# Altium PCB project_pankov_control_board.PcbDoc (part 2 of 2)
Units mm, origin at the board's own origin, x right, y up, seen from the top; angles counter-clockwise.
Board outline 90 x 75 mm, 2 copper layers (Top Layer, Bottom Layer), stack 1.536 mm thick; 103 components, 103 nets, 429 pads, 380 vias.
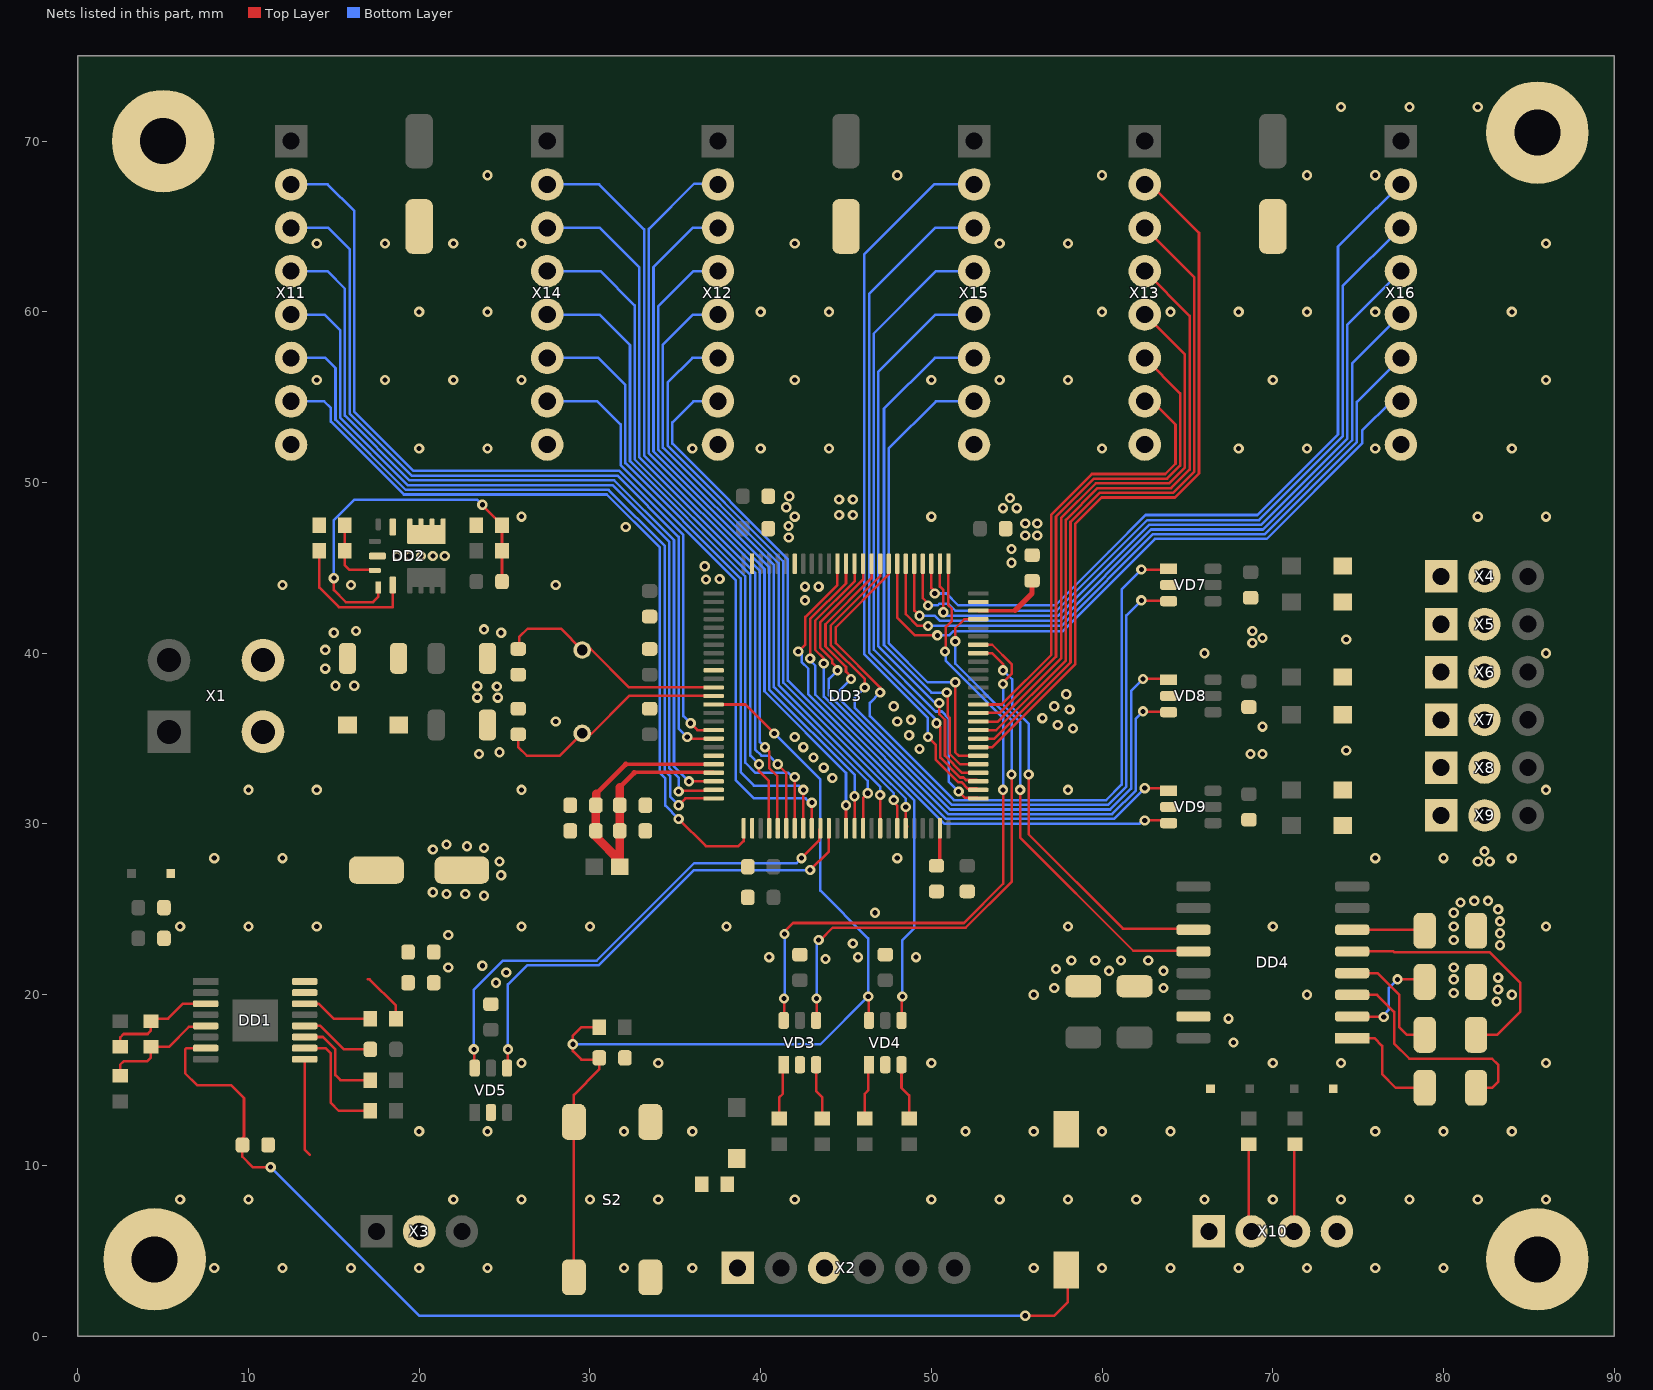
[diagram p2: the nets of this part, all layers, seen from the top]

## Via types
v1: diameter 0.6, hole 0.3, Top Layer to Bottom Layer, tented both sides, 360 vias
v2: diameter 0.6, hole 0.3, Top Layer to Bottom Layer, 20 vias

## Nets (pads, with @x,y where several pads share a name; then routed paths per layer and width w, separated by ;. In a path a pad name is that pad's centre, name@x,y a point inside that pad or via, vN(x,y) a via of type N, cw(c..) or ccw(c..) an arc to the next point about the centre after c; other vN are vias at no path point) (continued)
GND: C1.2 C2.2 C4.2 C5.2 C6.2 C7.2 C8.2 C9.2 C10.2 C11.2 C13.2 C14.2 C15.2 C16.2 C17.2 C18.2 C19.2 C20.2 C21.2 C22.2 C23.2 C24.2 C25.2 C26.2 C27.2 C28.2 C29.2 C30.2 C31.1 C32.1 C33.2 C34.2 C35.2 C36.2 C37.2 C38.2 C39.2 C42.2 C43.2 C44.2 DD1.9 DD2.8 DD3.10 DD3.20 DD3.27 DD3.74 DD3.94 DD3.99 DD4.15 pad. R1.1 R13.1 R15.1 S1.2 S2.2 VD1.1 VD3.2 VD4.2 VD5.2 VD6.2 VD7.2 VD8.2 VD9.2 VD16.2 VD17.2 X1.3 X1.4 X2.3 X3.2 X4.2 X5.2 X6.2 X7.2 X8.2 X9.2 X10.1 X10.4 X11.8 X12.8 X13.8 X14.8 X15.8 X16.8 | length 5.7
  Top Layer w0.15: DD1.9@13.29,16.225 13.29,10.935 13.6,10.625
  other v1: 8,4 12,4 16,4 20,4 24,4 32,4 36,4 56,4 60,4 64,4 68,4 72,4 76,4 80,4 6,8 10,8 22,8 26,8 30,8 34,8 42,8 50,8 54,8 58,8 62,8 66,8 70,8 74,8 78,8 82,8 86,8 20,12 24,12 32,12 36,12 52,12 56,12 60,12 64,12 76,12 80,12 84,12 26,16 34,16 50,16 70,16 74,16 86,16 67.7,17.2 67.4,18.6 83.1,19.6 56,20 72,20 84,20 80.6,20.1 83.2,20.3 57.2,20.4 63.6,20.4 24.5,20.7 80.6,20.9 83.2,21 25.1,21.3 60.4,21.4 63.6,21.4 57.3,21.5 21.7,21.6 80.6,21.6 23.7,21.7 58.2,22 59.6,22 61.1,22 62.7,22 43.8,22.1 40.5,22.2 45.7,22.2 49.1,22.2 83.3,22.9 45.4,23 80.6,23.2 21.7,23.5 83.3,23.6 6,24 10,24 14,24 26,24 30,24 38,24 58,24 70,24 80.6,24 86,24 83.3,24.3 46.7,24.8 80.6,24.8 83.2,25 81,25.4 81.8,25.5 82.6,25.5 23.8,25.8 21.6,25.9 22.7,25.9 20.8,26 24.8,27 24.7,27.8 82,27.8 82.7,27.8 8,28 12,28 48,28 76,28 80,28 84,28 82.4,28.4 20.8,28.5 23.8,28.6 22.8,28.7 21.6,28.8 10,32 14,32 26,32 58,32 86,32 44.2,32.7 43.7,33.3 43.1,33.9 23.5,34.1 68.7,34.1 69.4,34.1 24.7,34.2 74.3,34.3 49.3,34.4 42.5,34.5 42,35.1 48.7,35.2 58.3,35.6 69.4,35.7 57.4,35.8 28,36 48,36 48.8,36.1 56.5,36.2 58.1,36.7 47.8,36.9 57.2,36.9 23.4,37.4 24.6,37.4 57.9,37.6 24.55,38.05 23.4,38.075 15.1,38.1 16.2,38.1 14.5,39.1 66,40 86,40 14.5,40.2 68.8,40.6 74.3,40.8 69.4,40.9 15,41.2 24.8,41.2 16.3,41.3 68.8,41.3 23.8,41.4 42.6,43.1 42.6,43.9 43.4,43.9 12,44 16,44 28,44 36.8,44.325 37.6,44.35 36.725,45.1 54.7,45.3 54.7,46.1 41.65,46.775 55.5,46.9 56.2,46.9 32.1,47.4 41.625,47.45 55.5,47.6 56.2,47.6 26,48 42,48 50,48 82,48 86,48 44.6,48.1 45.4,48.1 54.2,48.5 55,48.5 41.5,48.55 44.6,49 45.4,49 54.6,49.1 41.675,49.2 20,52 24,52 36,52 40,52 44,52 60,52 68,52 72,52 76,52 84,52 14,56 18,56 22,56 26,56 42,56 50,56 54,56 58,56 70,56 86,56 20,60 24,60 40,60 44,60 60,60 64,60 68,60 72,60 76,60 84,60 14,64 18,64 22,64 26,64 42,64 54,64 58,64 86,64 24,68 48,68 60,68 72,68 76,68 74,72 78,72 82,72
  other v2: 18.7,45.7 19.4,45.7 20.1,45.7 20.8,45.7 21.5,45.7
MCU_DEV1_BIN1: DD3.25 X11.6 | length 46
  Top Layer w0.15: v1(35.2,31.1) 35.6,31.5 DD3.25@37.25,31.5
  Bottom Layer w0.15: X11.6@12.5,57.3 14.5,57.3 15.1,56.7 15.1,53.689 19.214,49.575 31.1,49.575 34.375,46.3 34.375,33.147 34.7,32.822 34.7,31.6 v1(35.2,31.1)
MCU_DEV1_BIN2: DD3.26 X11.7 | length 47.3
  Top Layer w0.15: v1(35.2,30.3) 36.8,28.7 38.7,28.7 39,29 DD3.26@39,29.75
  Bottom Layer w0.15: X11.7@12.5,54.76 14.44,54.76 14.825,54.375 14.825,53.575 19.1,49.3 30.986,49.3 34.1,46.186 34.1,33 34.425,32.675 34.425,31.075 v1(35.2,30.3)
MCU_DEV1_DIR/AIN2: DD3.24 X11.5 | length 47.6
  Top Layer w0.15: v1(35.2,31.9) 35.25,31.95 37.2,31.95 DD3.24@37.25,32
  Bottom Layer w0.15: X11.5@12.5,59.84 14.46,59.84 15.375,58.925 15.375,53.803 19.328,49.85 31.311,49.85 34.65,46.511 34.65,33.261 35.2,32.711 v1(35.2,31.9)
MCU_DEV1_nFAULT: DD3.33 X14.6 | length 37.1
  Top Layer w0.15: DD3.33@42.5,29.75 v1(42.5,32)
  Bottom Layer w0.15: X14.6@27.5,57.3 30.5,57.3 32.075,55.725 32.075,51.136 38.825,44.386 38.825,33.036 39.611,32.25 42.25,32.25 v1(42.5,32)
MCU_DEV1_nSLEEP: DD3.17 X11.2 | length 51.1
  Top Layer w0.15: v1(35.9,35.9) 36.3,35.5 DD3.17@37.25,35.5
  Bottom Layer w0.15: X11.2@12.5,67.46 14.64,67.46 16.2,65.9 16.2,54.145 19.645,50.7 31.7,50.7 35.475,46.925 35.475,36.325 v1(35.9,35.9)
MCU_DEV1_nSTALL: DD3.34 X14.7 | length 35
  Top Layer w0.15: DD3.34@43,29.75 v1(43,31.25)
  Bottom Layer w0.15: X14.7@27.5,54.76 30.44,54.76 31.8,53.4 31.8,51.022 38.55,44.272 38.55,32.561 39.611,31.5 42.628,31.5 42.878,31.25 v1(43,31.25)
MCU_DEV1_RESET: DD3.18 X11.3 | length 49.4
  Top Layer w0.15: v1(35.7,35.1) 35.8,35 DD3.18@37.25,35
  Bottom Layer w0.15: X11.3@12.5,64.92 14.68,64.92 15.925,63.675 15.925,54.031 19.556,50.4 31.611,50.4 35.2,46.811 35.2,35.6 v1(35.7,35.1)
MCU_DEV1_STEP/AIN1: DD3.23 X11.4 | length 49.2
  Top Layer w0.15: v1(35.8,32.5) DD3.23@37.25,32.5
  Bottom Layer w0.15: X11.4@12.5,62.38 14.62,62.38 15.65,61.35 15.65,53.917 19.442,50.125 31.425,50.125 34.925,46.625 34.925,33.375 v1(35.8,32.5)
MCU_DEV2_BIN1: DD3.44 X12.6 | length 35.2
  Top Layer w0.15: v1(47.8,31.4) 47.8,31.278 48,31.078 DD3.44@48,29.75
  Bottom Layer w0.15: X12.6@37.5,57.3 36,57.3 34.55,55.85 34.55,52.161 41.325,45.386 41.325,38.275 47.8,31.8 v1(47.8,31.4)
MCU_DEV2_BIN2: DD3.45 X12.7 | length 32.7
  Top Layer w0.15: DD3.45@48.5,29.75 48.6,29.85 48.5,29.95 v1(48.5,31)
  Bottom Layer w0.15: X12.7@37.5,54.76 36.06,54.76 34.825,53.525 34.825,52.275 41.6,45.5 41.6,38.4 46.875,33.125 46.875,33.114 48.5,31.489 v1(48.5,31)
MCU_DEV2_DIR/AIN2: DD3.42 X12.5 | length 37.6
  Top Layer w0.15: DD3.42@47,29.75 v1(47,31.7)
  Bottom Layer w0.15: X12.5@37.5,59.84 36.04,59.84 34.275,58.075 34.275,52.047 41.05,45.272 41.05,38.139 47,32.189 v1(47,31.7)
MCU_DEV2_nFAULT: DD3.55 X15.6 | length 30.8
  Top Layer w0.15: v1(50.9,37.7) 50.963,37.637 50.963,36.333 51.075,36.221 51.075,34.114 51.689,33.5 DD3.55@52.75,33.5
  Bottom Layer w0.15: v1(50.9,37.7) 50,37.7 47.225,40.475 47.225,54.325 50.2,57.3 X15.6@52.5,57.3
MCU_DEV2_nSLEEP: DD3.38 X12.2 | length 45.8
  Top Layer w0.15: DD3.38@45,29.75 v1(45,31.1)
  Bottom Layer w0.15: X12.2@37.5,67.46 37.761,67.199 37.199,67.199 36.897,67.5 36.1,67.5 33.45,64.85 33.45,51.705 40.225,44.93 40.225,37.775 45,33 v1(45,31.1)
MCU_DEV2_nSTALL: DD3.56 X15.7 | length 28.4
  Top Layer w0.15: v1(51.4,38.3) 51.4,34.2 51.6,34 DD3.56@52.75,34 DD3.56@52.3,34
  Bottom Layer w0.15: v1(51.4,38.3) 49.789,38.3 47.5,40.589 47.5,52 50.26,54.76 X15.7@52.5,54.76
MCU_DEV2_RESET: DD3.39 X12.3 | length 42.5
  Top Layer w0.15: DD3.39@45.5,29.75 v1(45.5,31.625)
  Bottom Layer w0.15: X12.3@37.5,64.92 36.02,64.92 33.725,62.625 33.725,51.819 40.5,45.044 40.5,37.889 45.5,32.889 v1(45.5,31.625)
MCU_DEV2_STEP/AIN1: DD3.40 X12.4 | length 40.1
  Top Layer w0.15: DD3.40@46,29.75 46,31.525 v1(46.275,31.8)
  Bottom Layer w0.15: X12.4@37.5,62.38 36.08,62.38 34,60.3 34,51.933 40.775,45.158 40.775,38.025 46.275,32.525 v1(46.275,31.8)
MCU_DEV3_BIN1: DD3.61 X13.6 | length 29.8
  Top Layer w0.15: DD3.61@52.75,36.5 52.775,36.525 54.025,36.525 57.3,39.8 57.3,48.011 59.514,50.225 63.814,50.225 64.575,50.986 64.575,55.225 X13.6@62.5,57.3
MCU_DEV3_BIN2: DD3.62 X13.7 | length 26.9
  Top Layer w0.15: DD3.62@52.75,37 54.111,37 57.025,39.914 57.025,48.125 59.4,50.5 63.7,50.5 64.3,51.1 64.3,53.4 62.94,54.76 X13.7@62.5,54.76
MCU_DEV3_DIR/AIN2: DD3.60 X13.5 | length 33
  Top Layer w0.15: DD3.60@52.75,36 53.9,36 57.6,39.7 57.6,47.922 59.628,49.95 63.928,49.95 64.85,50.872 64.85,57.49 X13.5@62.5,59.84
MCU_DEV3_nFAULT: DD3.81 X16.6 | length 40.1
  Top Layer w0.15: DD3.81@48.5,45.25 48.5,42.293 49.193,41.6 v1(49.8,41.6)
  Bottom Layer w0.15: v1(49.8,41.6) 57.611,41.6 62.986,46.975 69.531,46.975 74.919,52.363 74.919,54.719 X16.6@77.5,57.3
MCU_DEV3_nSLEEP: DD3.57 X13.2 | length 42.8
  Top Layer w0.15: DD3.57@52.75,34.5 53.578,34.5 58.425,39.347 58.425,47.58 59.97,49.125 64.27,49.125 65.675,50.53 65.675,64.625 62.84,67.46 X13.2@62.5,67.46
MCU_DEV3_nSTALL: DD3.82 X16.7 | length 39.2
  Top Layer w0.15: DD3.82@48,45.25 48,42.1 49.05,41.05 v1(50.35,41.05)
  Bottom Layer w0.15: v1(50.35,41.05) 51.043,41.05 51.293,41.3 57.7,41.3 63.1,46.7 69.645,46.7 75.236,52.291 75.236,53.036 76.96,54.76 X16.7@77.5,54.76
MCU_DEV3_RESET: DD3.58 X13.3 | length 39.4
  Top Layer w0.15: DD3.58@52.75,35 53.689,35 58.15,39.461 58.15,47.694 59.856,49.4 64.156,49.4 65.4,50.644 65.4,62.02 X13.3@62.5,64.92
MCU_DEV3_STEP/AIN1: DD3.59 X13.4 | length 36.2
  Top Layer w0.15: DD3.59@52.75,35.5 53.8,35.5 57.875,39.575 57.875,47.808 59.742,49.675 64.042,49.675 65.125,50.758 65.125,59.755 X13.4@62.5,62.38
MCU_LIMSW_XMAX: DD3.84 VD7.3 | length 42.3
  Top Layer w0.15: v1(46.1,38) 46.1,38.496 44.1,40.496 44.1,41.611 47,44.511 DD3.84@47,45.25 ; v1(62.3,43.1) 62.325,43.075 63.875,43.075 VD7.3@63.9,43.05
  Bottom Layer w0.15: v1(46.1,38) 45.5,37.4 45.5,36.833 51.208,31.125 60.358,31.125 61.422,32.189 61.422,42.222 v1(62.3,43.1)
MCU_LIMSW_XMIN: DD3.83 VD7.1 | length 43.4
  Top Layer w0.15: v1(47,37.7) 47,38 44.4,40.6 44.4,41.522 47.5,44.622 DD3.83@47.5,45.25 ; v1(62.3,44.9) 63.85,44.9 VD7.1@63.9,44.95
  Bottom Layer w0.15: v1(47,37.7) 46.4,37.1 46.4,36.322 51.322,31.4 60.244,31.4 61.147,32.303 61.147,43.747 v1(62.3,44.9)
MCU_LIMSW_YMAX: DD3.86 VD8.3 | length 37.1
  Top Layer w0.15: v1(44.5,39) 44.5,39.122 44.2,39.422 44.2,39.618 43.5,40.318 43.5,41.822 46,44.322 DD3.86@46,45.25 ; v1(62.4,36.6) 62.425,36.575 63.875,36.575 VD8.3@63.9,36.55
  Bottom Layer w0.15: v1(44.5,39) 44,38.5 44,37.556 50.981,30.575 60.586,30.575 61.975,31.964 61.975,36.175 v1(62.4,36.6)
MCU_LIMSW_YMIN: DD3.85 VD8.1 | length 38.5
  Top Layer w0.15: v1(45.3,38.5) 45.3,38.622 45,38.922 45,39.207 43.8,40.407 43.8,41.7 46.5,44.4 DD3.85@46.5,45.25 ; v1(62.4,38.5) 63.85,38.5 VD8.1@63.9,38.45
  Bottom Layer w0.15: v1(45.3,38.5) 44.6,37.8 44.6,37.345 51.095,30.85 60.472,30.85 61.7,32.078 61.7,37.8 v1(62.4,38.5)
MCU_LIMSW_ZMAX: DD3.88 VD9.3 | length 32.6
  Top Layer w0.15: v1(42.9,39.7) 42.9,42 45,44.1 DD3.88@45,45.25 ; v1(62.5,30.2) 62.525,30.225 VD9.3@63.875,30.225 ; VD9.3@63.875,30.025 VD9.3@63.9,30.05
  Bottom Layer w0.15: v1(42.9,39.7) 42.9,39.578 43.2,39.278 43.2,37.578 50.753,30.025 62.203,30.025 62.378,30.2 v1(62.5,30.2)
MCU_LIMSW_ZMIN: DD3.87 VD9.1 | length 32.9
  Top Layer w0.15: v1(43.7,39.4) 43.7,39.7 43.2,40.2 43.2,41.911 45.5,44.211 DD3.87@45.5,45.25 ; v1(62.5,32.1) VD9.1@63.85,32.1 ; VD9.1@63.85,31.9 VD9.1@63.9,31.95
  Bottom Layer w0.15: v1(43.7,39.4) 43.7,37.467 50.867,30.3 60.7,30.3 v1(62.5,32.1)
MCU_nINT: DD3.35 VD5.6 | length 29.2
  Top Layer w0.15: v1(23.2,16.8) 23.225,16.775 23.225,15.725 VD5.6@23.25,15.7 ; v1(42.4,28) 43.425,29.025 43.425,29.675 DD3.35@43.5,29.75
  Bottom Layer w0.15: v1(23.2,16.8) 23.2,20.3 24.9,22 30.4,22 36.1,27.7 42.1,27.7 v1(42.4,28)
MCU_nKILL: DD3.36 VD5.4 | length 28.3
  Top Layer w0.15: VD5.4@25.15,15.7 25.175,15.725 25.175,16.775 v1(25.2,16.8) ; v1(42.9,27.3) 44,28.4 DD3.36@44,29.75
  Bottom Layer w0.15: v1(25.2,16.8) 25.2,20.6 26.325,21.725 30.514,21.725 36.089,27.3 v1(42.9,27.3)
MCU_nRST: C30.1 DD3.14 R16.1 S2.1 VD4.6 | length 59.7
  Top Layer w0.15: S2.1@29.06,3.45 S2.1@29.06,12.55 29.06,14.14 30.545,15.625 C30.1@30.545,16.295 ; C30.1@30.55,16.3 C30.1@30.545,16.295 ; R16.1@30.55,18.1 29.5,18.1 29,17.6 v1(29,17.1) 29,16.7 29.5,16.2 30.45,16.2 C30.1@30.545,16.295 ; DD3.14@37.25,37 39.1,37 v1(40.8,35.3) ; v1(46.3,19.9) 46.325,19.875 46.325,18.525 VD4.6@46.35,18.5
  Bottom Layer w0.15: v1(29,17.1) 43.5,17.1 v1(46.3,19.9) 46.3,23.3 43.5,26.1 43.5,32.6 v1(40.8,35.3)
MCU_SPI1_MISO: DD3.31 X14.3 | length 43
  Top Layer w0.15: v1(41,33.5) 41.5,33 DD3.31@41.5,29.75
  Bottom Layer w0.15: X14.3@27.5,64.92 30.58,64.92 32.9,62.6 32.9,51.478 39.675,44.703 39.675,34.368 40.043,34 40.5,34 v1(41,33.5)
MCU_SPI1_MOSI: DD3.32 X14.5 | length 39.1
  Top Layer w0.15: DD3.32@42,29.75 v1(42,32.75)
  Bottom Layer w0.15: X14.5@27.5,59.84 30.56,59.84 32.35,58.05 32.35,51.25 39.1,44.5 39.1,33.593 39.693,33 40.107,33 41.628,33 41.878,32.75 v1(42,32.75)
MCU_SPI1_NSS: DD3.29 X14.4 | length 39.8
  Top Layer w0.15: v1(39.9,33.5) 39.9,33.1 40.487,32.513 40.487,29.763 DD3.29@40.5,29.75
  Bottom Layer w0.15: X14.4@27.5,62.38 30.62,62.38 32.625,60.375 32.625,51.364 39.4,44.589 39.4,34 v1(39.9,33.5)
MCU_SPI1_SCK: DD3.30 X14.2 | length 45.1
  Top Layer w0.15: v1(40.25,34.5) 40.5,34.25 40.5,33.293 40.968,32.825 40.968,29.782 DD3.30@41,29.75
  Bottom Layer w0.15: X14.2@27.5,67.46 30.54,67.46 33.175,64.825 33.175,51.592 39.95,44.817 39.95,34.8 v1(40.25,34.5)
MCU_SPI2_MISO: DD3.53 X15.3 | length 39.4
  Top Layer w0.15: v1(50.3,35.9) 50.525,35.675 50.525,33.886 51.686,32.725 51.871,32.725 52.018,32.578 52.672,32.578 DD3.53@52.75,32.5
  Bottom Layer w0.15: v1(50.3,35.9) 50.3,36.1 46.35,40.05 46.35,61.05 50.22,64.92 X15.3@52.5,64.92
MCU_SPI2_MOSI: DD3.54 X15.5 | length 33.6
  Top Layer w0.15: v1(50.463,37.088) 50.463,36.444 50.8,36.107 50.8,34 51.8,33 DD3.54@52.75,33
  Bottom Layer w0.15: v1(50.463,37.088) 50.212,37.088 46.9,40.4 46.9,56.5 50.24,59.84 X15.5@52.5,59.84
MCU_SPI2_NSS: DD3.51 X15.4 | length 37.8
  Top Layer w0.15: v1(51.6,31.9) 51.971,31.529 52.721,31.529 DD3.51@52.75,31.5
  Bottom Layer w0.15: v1(51.6,31.9) 51.01,32.489 51.01,36.189 50.612,36.588 50.256,36.588 46.625,40.219 46.625,58.725 50.28,62.38 X15.4@52.5,62.38
MCU_SPI2_SCK: DD3.52 X15.2 | length 42.7
  Top Layer w0.15: v1(49.8,35.1) 50.25,34.65 50.25,33.772 51.572,32.45 51.757,32.45 52.129,32.078 52.672,32.078 DD3.52@52.75,32
  Bottom Layer w0.15: v1(49.8,35.1) 49.8,36.211 46.075,39.936 46.075,63.375 50.16,67.46 X15.2@52.5,67.46
MCU_SPI3_MISO: DD3.79 X16.3 | length 44.9
  Top Layer w0.15: DD3.79@49.5,45.25 49.5,43.222 49.8,42.922 v1(49.8,42.8)
  Bottom Layer w0.15: v1(49.8,42.8) 50.364,42.8 50.464,42.9 51,42.9 51.4,42.5 57.344,42.5 62.644,47.8 69.189,47.8 74.093,52.704 74.093,61.513 X16.3@77.5,64.92
MCU_SPI3_MOSI: DD3.80 X16.5 | length 41.6
  Top Layer w0.15: DD3.80@49,45.25 49,42.5 v1(49.3,42.2)
  Bottom Layer w0.15: v1(49.3,42.2) 50.193,42.2 50.493,41.9 57.522,41.9 62.872,47.25 69.417,47.25 74.643,52.476 74.643,56.983 X16.5@77.5,59.84
MCU_SPI3_NSS: DD3.77 X16.4 | length 42.1
  Top Layer w0.15: DD3.77@50.5,45.25 50.5,43.911 50.7,43.711 v1(50.7,42.4)
  Bottom Layer w0.15: v1(50.7,42.4) 50.9,42.2 57.433,42.2 62.758,47.525 69.303,47.525 74.368,52.59 74.368,59.248 X16.4@77.5,62.38
MCU_SPI3_SCK: DD3.78 X16.2 | length 46.1
  Top Layer w0.15: DD3.78@50,45.25 50,43.822 50.2,43.622 v1(50.2,43.5)
  Bottom Layer w0.15: v1(50.2,43.5) 50.875,43.5 51.575,42.8 57.255,42.8 60.391,45.935 62.555,48.1 69.1,48.1 73.818,52.818 73.818,63.818 76.07,66.07 76.11,66.07 X16.2@77.5,67.46
MCU_SWCLK: DD3.76 VD3.6 | length 39.6
  Top Layer w0.15: VD3.6@41.35,18.5 41.375,18.525 v1(41.375,19.775) ; v1(41.4,23.55) 41.4,23.7 41.9,24.2 51.9,24.2 54.2,26.5 v1(54.2,32) ; v1(50.8,40.1) 50.85,40.15 50.85,41.55 51.2,41.9 51.2,42.607 51,42.807 DD3.76@51,45.25
  Bottom Layer w0.15: v1(41.375,19.775) 41.4,19.8 v1(41.4,23.55) ; v1(50.8,40.1) 50.832,40.068 50.832,39.575 54.2,36.207 v1(54.2,32)
MCU_SWDIO: DD3.72 VD3.4 | length 35.3
  Top Layer w0.15: VD3.4@43.25,18.5 43.275,18.525 v1(43.275,19.775) ; v1(43.4,23.2) 43.5,23.2 44.225,23.925 52.014,23.925 54.7,26.611 v1(54.7,32.9) ; v1(51.4,40.7) 51.4,41.465 51.925,41.991 52.741,41.991 DD3.72@52.75,42
  Bottom Layer w0.15: v1(43.275,19.775) 43.275,23.075 v1(43.4,23.2) ; v1(51.4,40.7) 51.4,39.396 54.7,36.096 v1(54.7,32.9)
MCU_SWO: DD3.89 VD4.4 | length 30.8
  Top Layer w0.15: v1(42.2,40.1) 42.625,40.525 42.625,42.125 44.5,44 DD3.89@44.5,45.25 ; VD4.4@48.25,18.5 48.275,18.525 48.275,19.875 v1(48.3,19.9)
  Bottom Layer w0.15: v1(42.2,40.1) 42.4,39.9 42.4,39.493 42.8,39.093 42.8,37.589 49,31.389 49,23.9 48.3,23.2 v1(48.3,19.9)
MCU_USART1_RX: DD3.69 DD4.12 | length 26
  Top Layer w0.15: DD3.69@52.75,40.5 53.566,40.5 54.7,39.366 54.7,38.789 54.2,38.289 v1(54.2,38.2) ; v1(55.2,32) 55.2,29.2 61.825,22.575 65.21,22.575 DD4.12@65.25,22.535
  Bottom Layer w0.15: v1(54.2,38.2) 54.2,36.985 55.2,35.985 v1(55.2,32)
MCU_USART1_TX: DD3.68 DD4.11 | length 24.2
  Top Layer w0.15: DD3.68@52.75,40 52.759,39.991 53.575,39.991 54.2,39.366 v1(54.2,39) ; v1(55.7,32.9) 55.7,29.4 61.225,23.875 65.18,23.875 DD4.11@65.25,23.805
  Bottom Layer w0.15: v1(54.2,39) 54.737,38.463 54.737,36.837 55.7,35.874 v1(55.7,32.9)
NetBQ1_1: BQ1.1 C32.2 DD3.13 | length 14.2
  Top Layer w0.15: C32.2@25.8,35.25 25.8,34.5 26.3,34 28.24,34 BQ1.1@29.49,35.25 ; BQ1.1@29.55,35.06 BQ1.1@29.74,35.25 ; BQ1.1@29.55,35.31 BQ1.1@29.49,35.25 ; DD3.13@37.25,37.5 32.3,37.5 30.05,35.25 BQ1.1@29.74,35.25 ; BQ1.1@29.49,35.25 BQ1.1@29.74,35.25
NetBQ1_2: BQ1.2 C31.2 DD3.12 | length 14.4
  Top Layer w0.15: C31.2@25.86,40.19 25.86,40.94 26.36,41.44 28.3,41.44 BQ1.2@29.55,40.19 ; BQ1.2@29.24,40.25 30.05,40.25 32.3,38 DD3.12@37.25,38 ; BQ1.2@29.55,40.44 BQ1.2@29.74,40.25
NetC3_1: C3.1 DD1.12 | length 4.4
  Top Layer w0.15: DD1.12@13.29,18.175 14.215,18.175 15.59,16.8 15.74,16.8 C3.1@17.14,16.8
NetC7_1: C7.1 DD1.7 S1.1 | length 64.6
  Top Layer w0.15: DD1.7@7.49,16.875 6.378,16.875 6.29,16.787 6.29,15.4 6.99,14.7 8.99,14.7 9.74,13.95 9.74,11.7 9.64,11.6 9.64,10.51 10.25,9.9 v1(11.3,9.9) ; v1(55.5,1.2) 57.2,1.2 58,2 58,3.775 S1.1@57.9,3.875
  Bottom Layer w0.15: v1(11.3,9.9) 20,1.2 v1(55.5,1.2)
NetC8_1: C8.1 C9.1 C10.1 C11.1 DD1.15 DD1.16 DD2.2 R11.2 R12.2 VD6.1 | length 11.3
  Top Layer w0.15: R12.2@14.15,46 14.15,43.85 15.3,42.7 18.45,42.7 DD2.2@18.45,44 ; 17,20.9 17.1,20.9 18.64,19.36 R11.2@18.64,18.6
NetC12_2: C12.2 DD2.1 R14.1 R15.2 | length 22
  Top Layer w0.15: v1(15,44.4) 15,43.7 15.7,43 17.3,43 17.6,43.3 DD2.1@17.6,43.85 ; v1(23.7,48.7) 23.7,48.65 R15.2@24.85,47.5 R14.1@24.85,46 C12.2@24.85,44.2
  Bottom Layer w0.15: v1(15,44.4) 15,47.8 16.2,49 23.4,49 v1(23.7,48.7)
NetC24_1: C24.1 C26.1 C28.1 C29.1 DD3.21 DD3.22 L1.1 | length 23.1
  Top Layer w0.15: C24.1@30.35,31.1 C24.1@30.375,31.125 ; L1.1@31.75,27.53 L1.1@31.91,27.69
  Top Layer w0.2: 32.1,33.5 DD3.21@37.25,33.5 ; 32.6,33 32.625,33.025 37.225,33.025 DD3.22@37.25,33
  Top Layer w0.3: 30.375,31.775 32.1,33.5 ; 31.75,32.15 32.6,33
  Top Layer w0.5: C24.1@30.35,31.1 C26.1@30.35,29.6 30.35,29.25 L1.1@31.75,27.85 ; C24.1@30.375,31.125 30.375,31.775 ; L1.1@31.75,27.53 L1.1@31.75,27.85 ; 31.75,32.15 C28.1@31.75,31.1 C29.1@31.75,29.6 L1.1@31.75,27.85 ; L1.1@31.91,27.69 L1.1@31.75,27.85
NetC25_1: C25.1 DD3.73 | length 4.3
  Top Layer w0.2: DD3.73@52.75,42.5 54.9,42.5
  Top Layer w0.3: 54.9,42.5 55.9,43.5 C25.1@55.9,44.25
NetC27_1: C27.1 DD3.49 | length 2.1
  Top Layer w0.2: C27.1@50.5,27.65 DD3.49@50.5,29.75
NetC38_1: C38.1 DD4.2 | length 6.1
  Top Layer w0.15: DD4.2@74.65,18.725 74.662,18.713 76.488,18.713 v1(76.5,18.7) ; v1(77.3,20.9) 78.75,20.9 C38.1@78.9,20.75
  Bottom Layer w0.15: v1(76.5,18.7) 76.5,18.822 76.8,19.122 76.8,20.4 v1(77.3,20.9)
NetC39_1: C39.1 DD4.6 | length 4.3
  Top Layer w0.15: DD4.6@74.65,23.805 78.845,23.805 C39.1@78.9,23.75
NetC40_1: C40.1 DD4.4 | length 6.9
  Top Layer w0.15: DD4.4@74.65,21.265 76.135,21.265 77.4,20 77.4,18.1 77.85,17.65 C40.1@78.9,17.65
NetC40_2: C40.2 DD4.5 | length 15.5
  Top Layer w0.15: DD4.5@74.65,22.535 77.065,22.535 77.1,22.5 82.7,22.5 84.5,20.7 84.5,19.02 83.13,17.65 C40.2@81.9,17.65
NetC41_1: C41.1 DD4.1 | length 6.4
  Top Layer w0.15: DD4.1@74.65,17.455 75.945,17.455 76.4,17 76.4,15.35 77.2,14.55 C41.1@78.9,14.55
NetC41_2: C41.2 DD4.3 | length 13.8
  Top Layer w0.15: DD4.3@74.65,19.995 76.105,19.995 77.1,19 77.1,17.15 78,16.25 82.85,16.25 83.2,15.9 83.2,14.9 82.85,14.55 C41.2@81.9,14.55
NetDD1_3: DD1.3 R3.1 R4.2 | length 6.7
  Top Layer w0.15: R3.1@2.49,16.95 2.49,17.5 2.69,17.7 4.09,17.7 4.29,17.9 R4.2@4.29,18.45 ; R4.2@4.29,18.45 4.44,18.6 5.29,18.6 6.165,19.475 DD1.3@7.49,19.475
NetDD1_5: DD1.5 R4.1 R5.2 | length 7
  Top Layer w0.15: R5.2@2.49,15.25 2.49,15.9 2.69,16.1 4.065,16.1 4.29,16.325 R4.1@4.29,16.95 5.34,16.95 6.515,18.125 7.44,18.125 DD1.5@7.49,18.175
NetDD1_10: DD1.10 R10.2 | length 7.1
  Top Layer w0.15: DD1.10@13.29,16.875 14.515,16.875 14.815,16.575 14.815,13.675 15.29,13.2 R10.2@17.14,13.2
NetDD1_11: DD1.11 R9.2 | length 5.8
  Top Layer w0.15: DD1.11@13.29,17.525 14.354,17.525 15.09,16.789 15.09,15.3 15.39,15 R9.2@17.14,15
NetDD1_14: DD1.14 R11.1 | length 4.2
  Top Layer w0.15: DD1.14@13.29,19.475 14.115,19.475 14.99,18.6 R11.1@17.14,18.6
NetDD2_4: DD2.4 DD2.5
NetDD2_9: DD2.9 R12.1 R13.2 | length 4.2
  Top Layer w0.15: R13.2@15.65,47.5 R12.1@15.65,46 15.65,45.15 15.9,44.9 17.35,44.9 DD2.9@17.4,44.85
NetR1_2: R1.2 VD2.1 X2.1 | length 0.1
  Top Layer w0.15: X2.1@38.695,3.96 38.655,4 X2.1@38.695,4.04
NetR2_2: R2.2 VD3.1 | length 2.9
  Top Layer w0.15: R2.2@41.1,13.15 41.1,14 41.3,14.2 41.3,15.85 VD3.1@41.35,15.9
NetR6_2: R6.2 VD3.3 | length 2.9
  Top Layer w0.15: VD3.3@43.25,15.9 43.25,14.35 43.6,14 43.6,13.15
NetR7_2: R7.2 VD4.1 | length 2.9
  Top Layer w0.15: R7.2@46.1,13.15 46.1,14.2 46.3,14.4 46.3,15.85 VD4.1@46.35,15.9
NetR8_2: R8.2 VD4.3 | length 2.9
  Top Layer w0.15: VD4.3@48.25,15.9 48.25,14.55 48.7,14.1 R8.2@48.7,13.15
NetR17_1: R17.1 X10.3 | length 5
  Top Layer w0.15: X10.3@71.25,6.138 71.25,11.1 R17.1@71.3,11.15
NetR18_1: R18.1 X10.2 | length 5.1
  Top Layer w0.15: R18.1@68.6,11.15 68.6,6.288 X10.2@68.75,6.138
NetVD10_1: VD10.1 X4.1 | length 0
NetVD11_1: VD11.1 X5.1
NetVD12_1: VD12.1 X6.1
NetVD13_1: VD13.1 X7.1
NetVD14_1: VD14.1 X8.1
NetVD15_1: VD15.1 X9.1
pads on no net: DD1.4 DD1.13 DD2.6 DD2.7 DD3.1 DD3.2 DD3.3 DD3.4 DD3.5 DD3.7 DD3.8 DD3.9 DD3.15 DD3.16 DD3.37 DD3.41 DD3.43 DD3.46 DD3.47 DD3.48 DD3.63 DD3.64 DD3.65 DD3.66 DD3.67 DD3.70 DD3.71 DD3.90 DD3.91 DD3.92 DD3.93 DD3.95 DD3.96 DD3.97 DD3.98 DD4.7 DD4.8 DD4.9 DD4.10

## Polygon pours and split planes (outlines as drawn)
+3,3V on Top Layer "+3,3V_L01_P224" (solid, pour order 224): 58.8,27.5 58.8,47.5 59.6,48.3 60.6,47.3 60.6,27.5
GND on Top Layer "GND_L01_P336" (solid, pour order 336): 0,0 0,12.2 0.1,12.1 28.2,12.1 28.2,0.1 28.3,0
GND on Top Layer "GND_L01_P330" (solid, pour order 330): 56.704,51.305 63.814,51.294 63.814,49.2 56.7,49.2
GND on Top Layer "GND_L01_P328" (solid, pour order 328): 90,0 90,50.7 22.2,50.7 22.2,0
GND on Top Layer "GND_L01_P326" (solid, pour order 326): 22,51 22,0 0,0 0,51
0V on Top Layer "0V_L01_P324" (solid, pour order 324): 7.6,22.1 13.1,22.1 12.31,21.31 12.31,19.614 12.324,19.6 8.5,19.6 8.5,21.2
GND on Top Layer "GND_L01_P320" (solid, pour order 320): 9.5,51 9.6,50.9 90,50.9 90,75 9.5,75
+3,3V on Top Layer "+3,3V_L01_P318" (solid, pour order 318): 37.5,12.6 39.6,12.6 39.6,18.3 39.1,18.8 36.3,21.6 33.9,21.6 37.5,18
+3,3V on Top Layer "+3,3V_L01_P316" (solid, pour order 316): 46.5,21.6 46.5,17.8 48.1,17.8 48.1,21.6
+3,3V on Top Layer "+3,3V_L01_P314" (solid, pour order 314): 41.375,21.6 41.375,17.8 43.1,17.8 43.1,21.6
+3,3V on Top Layer "+3,3V_L01_P312" (solid, pour order 312): 51.047,50.153 52.3,48.9 52.3,44.2 52,43.9 52,43 53.3,43 53.7,43.4 53.7,49.7 52.645,50.579
+3,3V on Top Layer "+3,3V_L01_P310" (solid, pour order 310): 38.1,50.8 38.1,45 38.6,44.5 39.3,44.5 39.3,50.8
+3,3V on Top Layer "+3,3V_L01_P308" (solid, pour order 308): 36.8,21.4 38.6,21.4 41.5,24.3 41.5,28.2 41.2,28.5 40.6,28.5 40.3,28.8 40.3,30.5 39.85,30.5 39.85,27.95 40,27.8 40,24.8
NetVD10_1 on Top Layer "NETVD10_1_L01_P282" (solid, pour order 282): 73.1,46.2 73.1,44.1 76.3,44.1 77.5,42.9 81.3,42.9 81.3,45.9 76.314,45.9 75.971,46.2
NetVD11_1 on Top Layer "NETVD11_1_L01_P280" (solid, pour order 280): 73.1,43.9 73.1,42.05 74.1,42.05 75.8,40.2 81.3,40.2 81.3,42.9 77.271,42.9 76.271,43.9
NetVD14_1 on Top Layer "NETVD14_1_L01_P278" (solid, pour order 278): 73.1,30.85 73.1,32.95 73.95,32.95 75.8,34.8 81.3,34.8 81.3,32.1 77.021,32.1 75.593,30.85
NetVD15_1 on Top Layer "NETVD15_1_L01_P276" (solid, pour order 276): 73.107,28.85 73.107,30.95 75.407,30.95 76.607,32.15 81.3,32.15 81.3,29.1 76.264,29.1 75.979,28.85
+24V on Top Layer "+24V_L01_P274" (solid, pour order 274): 0,32.5 9.5,32.5 9.5,75 0,75
+24V on Top Layer "+24V_L01_P270" (solid, pour order 270): 18.5,68 20.8,68 21.6,68.8 21.6,72.5 18.25,72.5 18.25,71.5 13.3,71.5 10.8,71.5 10.8,68.5 13.9,68.5 14.4,68
+24V on Top Layer "+24V_L01_P268" (solid, pour order 268): 43.5,68 45.8,68 46.6,68.8 46.6,72.5 43.25,72.5 43.25,71.5 38.3,71.5 35.8,71.5 35.8,68.5 38.9,68.5 39.4,68
+24V on Top Layer "+24V_L01_P266" (solid, pour order 266): 68.5,68 70.8,68 71.6,68.8 71.6,72.5 68.25,72.5 68.25,71.5 63.3,71.5 60.8,71.5 60.8,68.5 63.9,68.5 64.4,68
NetR1_2 on Top Layer "NETR1_2_L01_P264" (solid, pour order 264): 40.135,11.9 37.135,11.9 37.135,2.44 40.135,2.44
NetDD2_4 on Top Layer "NETDD2_4_L01_P262" (solid, pour order 262): 18.2,48.3 18.2,46.4 22,46.4 22,48.3
+3,3V on Top Layer "+3,3V_L01_P260" (solid, pour order 260): 70,46.2 70.01,46.19 70.01,29.1 72.5,29.1 72.5,46.2
+24V on Top Layer "+24V_L01_P258" (solid, pour order 258): 0,32.5 0,21.8 2.09,19.71 8.2,19.71 8.2,21.5 7.6,22.1 4.4,22.1 4.4,32.5
+3,3V on Top Layer "+3,3V_L01_P256" (solid, pour order 256): 32,36.2 32,34.2 34.4,34.2 36.1,34.2 37.7,34.2 38.1,34.6 38.1,34.915 36.4,34.9 35.389,34.911 34.1,36.2
+3,3V on Top Layer "+3,3V_L01_P254" (solid, pour order 254): 32.1,39.7 32.1,38.2 35.1,38.2 36.4,38.2 38.1,38.2 38.1,38.6 37.8,38.9 35.1,38.9 34.3,39.7
+3,3V on Top Layer "+3,3V_L01_P250" (solid, pour order 250): 38.4,50.8 38.4,49.7 55,49.7 55,50.8
NetC8_1 on Top Layer "NETC8_1_L01_P246" (solid, pour order 246): 15.2,28.9 15.2,25.7 19.6,25.7 19.6,28.9
+3,3V on Top Layer "+3,3V_L01_P244" (solid, pour order 244): 25.9,71.4 25.9,68.6 31.5,68.6 31.5,70.2 30.3,71.4
+3,3V on Top Layer "+3,3V_L01_P236" (solid, pour order 236): 50.9,71.4 50.9,68.6 56.5,68.6 56.5,70.2 55.3,71.4
+3,3V on Top Layer "+3,3V_L01_P232" (solid, pour order 232): 75.9,71.4 75.9,68.6 81.5,68.6 81.5,70.2 80.3,71.4
+3,3V on Top Layer "+3,3V_L01_P226" (solid, pour order 226): 21.7,32.3 27.4,26.6 31.2,26.6 31.2,28 30.7,28.5 27.9,28.5 22.1,34.3
+3,3V on Top Layer "+3,3V_L01_P222" (solid, pour order 222): 51.4,26.8 53.4,26.8 53.4,28.4 52.1,28.4 51.6,28.9 51.6,30.5 50.8,30.5 50.8,27.4
+3,3V on Top Layer "+3,3V_L01_P218" (solid, pour order 218): 51.1,21.6 27.4,21.6 26.9,21.1 26.9,20.2 51.1,20.2
+3,3V on Top Layer "+3,3V_L01_P216" (solid, pour order 216): 28.9,26.6 34.2,21.3 36.3,21.3 36.3,21.6 30.7,27.2
+3,3V on Top Layer "+3,3V_L01_P214" (solid, pour order 214): 27,21.6 23.7,18.3 23.7,17.5 23.9,17.3 24.9,17.3 28.1,20.5 28,21.6
+3,3V on Top Layer "+3,3V_L01_P212" (solid, pour order 212): 53,18.36 53,17.4 54.3,16.1 66.4,16.1 66.4,18.36
0V on Top Layer "0V_L01_P202" (solid, pour order 202): 1.59,19.6 1.59,12.4 19.39,12.4 19.39,19.6
NetC8_1 on Top Layer "NETC8_1_L01_P198" (solid, pour order 198): 12.5,19.8 20.1,19.8 20.1,44.6 17.8,44.6 17.8,24.3 15.6,22.1 13.1,22.1 12.5,21.5
+3,3V on Top Layer "+3,3V_L01_P196" (solid, pour order 196): 19.6,45.3 22.1,45.3 22.1,31.9 19.6,34.4
NetVD12_1 on Top Layer "NETVD12_1_L01_P190" (solid, pour order 190): 72.8,37.5 72.8,40.1 81.3,40.1 81.3,37.5
NetVD13_1 on Top Layer "NETVD13_1_L01_P188" (solid, pour order 188): 72.8,34.9 72.8,37.5 81.3,37.5 81.3,34.9
+3,3V on Top Layer "+3,3V_L01_P186" (solid, pour order 186): 72.5,29.1 70.9,27.5 58.2,27.5 58.2,28.9 69,28.9 70,29.9
+3,3V on Top Layer "+3,3V_L01_P184" (solid, pour order 184): 65.7,31.8 65.7,30.4 68,30.4 68.5,30.9 69.3,30.9 70.01,30.19 70.01,29.1 72.5,29.1 72.5,33.4 68.9,33.4 67.3,31.8
+3,3V on Top Layer "+3,3V_L01_P182" (solid, pour order 182): 65.7,44.6 65.7,43.4 67.9,43.4 68.469,43.969 68.951,43.969 70.01,42.91 70.01,41.9 72.5,41.9 72.5,46.2 68.9,46.2 67.3,44.6
+3,3V on Top Layer "+3,3V_L01_P180" (solid, pour order 180): 65.7,38.1 65.7,36.9 67.9,36.9 68.469,37.469 68.951,37.469 70.01,36.41 70.01,35.4 72.5,35.4 72.5,39.7 68.9,39.7 67.3,38.1
no net on Top Layer "NONET_L01_P322" (solid, pour order 322): 8.1,22.1
+3,3V on Top Layer "+3,3V_L01_P230" (solid, pour order 230): 54.597,50.097 56.757,48.057 58.257,49.557 56.097,51.597
no net on Top Layer "NONET_L01_P286" (solid, pour order 286): 105.6,4
no net on Top Layer "NONET_L01_P284" (solid, pour order 284): 104.5,8.3
+24V on Top Layer "+24V_L01_P272" (solid, pour order 272): 0,75 71.6,75 71.6,72 9.4,72 0,62.6
+3,3V on Top Layer "+3,3V_L01_P252" (solid, pour order 252): 31.4,45.8 31.4,44.4 33.2,44.4 33.2,45.8
+3,3V on Top Layer "+3,3V_L01_P248" (solid, pour order 248): 38.4,50.8 36.4,50.8 31.35,45.75 33.179,45.321 37.559,49.7 38.4,49.7
+3,3V on Top Layer "+3,3V_L01_P242" (solid, pour order 242): 29.7,68.75 31.5,68.75 31.5,46.6 29.7,46.6
+3,3V on Top Layer "+3,3V_L01_P240" (solid, pour order 240): 29.7,47.5 29.7,46.1 31.4,44.4 32.3,44.4 33.068,45.332 30.9,47.5
+3,3V on Top Layer "+3,3V_L01_P238" (solid, pour order 238): 54.7,68.75 56.5,68.75 56.5,50 54.7,50
+3,3V on Top Layer "+3,3V_L01_P234" (solid, pour order 234): 79.7,68.75 81.5,68.75 81.5,48.3 79.7,48.3
+3,3V on Top Layer "+3,3V_L01_P228" (solid, pour order 228): 72.1,45.8 73.1,46.8 80,46.8 81.5,48.3 81.5,49.3 81.4,49.4 79.8,49.4 78.4,48 71.814,48 69.614,45.8
no net on Top Layer "NONET_L01_P220" (solid, pour order 220): 27.4,21.4
+3,3V on Top Layer "+3,3V_L01_P210" (solid, pour order 210): 53,17.4 50,20.4 50,21.6 51.4,21.6 55.25,17.75
no net on Top Layer "NONET_L01_P204" (solid, pour order 204): 22.7,0.255
GND on Bottom Layer "GND_L02_P338" (solid, pour order 338): 0,12.2 0,0 26.8,0 26.9,0.1 26.9,12.1
GND on Bottom Layer "GND_L02_P334" (solid, pour order 334): 89.9,50.7 22.2,50.7 22.2,0 90,0
GND on Bottom Layer "GND_L02_P332" (solid, pour order 332): 0,50.9 21.8,50.9 21.9,51 22,50.9 22,0 0,0
GND on Bottom Layer "GND_L02_P300" (solid, pour order 300): 0,75 90,75 90,50.9 0,50.9
0V on Bottom Layer "0V_L02_P306" (solid, pour order 306): 1.5,12.4 1.5,21.4 19.5,21.4 19.5,12.4
+3,3V on Bottom Layer "+3,3V_L02_P304" (solid, pour order 304): 31.7,45.7 31.7,34 32.9,34 32.9,45.7
+3,3V on Bottom Layer "+3,3V_L02_P302" (solid, pour order 302): 32.9,34.204 32.9,33 27.35,27.45 26.65,28.15 31.7,33.2 31.7,34.204
+3,3V on Bottom Layer "+3,3V_L02_P298" (solid, pour order 298): 55.2,49.5 58.9,45.8 60.6,45.8 60.6,47.3 56.7,51
+3,3V on Bottom Layer "+3,3V_L02_P296" (solid, pour order 296): 59.91,28.9 53.1,28.9 52.3,28.1 52.3,25.6 54,25.6 54,26.9 54.6,27.5 59.91,27.5
+3,3V on Bottom Layer "+3,3V_L02_P294" (solid, pour order 294): 52.3,25.8 52.3,22.8 51.1,21.6 48.8,21.6 48.8,20.2 52.1,20.2 54,22.1 54,25.8

## Silkscreen, mask and mechanical layers (free items; w line width, h text height)
Top Overlay:
  lines w0.2: 13.775,50.945 26.225,50.945 ; 13.775,71.275 18.775,71.275 ; 15,2.725 15,1.025 25.003,1.025 25.003,2.725 ; 18.35,1.025 18.35,2.725 ; 21.2,71.275 26.225,71.275 ; 21.653,1.025 21.653,2.725 ; 38.775,50.945 51.225,50.945 ; 38.775,71.275 43.775,71.275 ; 46.2,71.275 51.225,71.275 ; 63.749,2.725 63.749,1.025 76.25,1.025 76.25,2.725 ; 63.775,50.945 76.225,50.945 ; 63.775,71.275 68.775,71.275 ; 66.875,1.025 66.875,2.725 ; 70,1.025 70,2.725 ; 71.2,71.275 76.225,71.275 ; 73.124,1.025 73.124,2.725 ; 0,0 0,75 90,75 90,0 0,0
  text "+3,3V" at 29.1,70.2 h1.2
  text "+3,3V" at 54.1,70.2 h1.2
  text "+3,3V" at 79.1,70.2 h1.2
  text "+24V" at 8.4,68.9 h1.2
  text "+24V" at 33.4,68.9 h1.2
  text "+24V" at 58.4,68.9 h1.2
  text "SCK" at 29.1,67.6 h1.2
  text "SCK" at 54.1,67.6 h1.2
  text "SCK" at 79.1,67.6 h1.2
  text "nSLEEP" at 6.9,66.4 h1.2
  text "nSLEEP" at 31.9,66.4 h1.2
  text "nSLEEP" at 56.9,66.4 h1.2
  text "MISO" at 29.1,65.1 h1.2
  text "MISO" at 54.1,65.1 h1.2
  text "MISO" at 79.1,65.1 h1.2
  text "RESET" at 7.4,63.9 h1.2
  text "RESET" at 32.4,63.9 h1.2
  text "RESET" at 57.4,63.9 h1.2
  text "nCS" at 29.1,62.7 h1.2
  text "nCS" at 54.1,62.7 h1.2
  text "nCS" at 79.1,62.7 h1.2
  text "STEP/AIN1" at 5.5,61.4 h1.2
  text "STEP/AIN1" at 30.5,61.4 h1.2
  text "STEP/AIN1" at 55.5,61.4 h1.2
  text "MOSI" at 29.1,60.1 h1.2
  text "MOSI" at 54.1,60.1 h1.2
  text "MOSI" at 79.1,60.1 h1.2
  text "STEP" at 17.75,59 h2
  text "STEP" at 42.75,59 h2
  text "STEP" at 67.75,59 h2
  text "DIR/AIN2" at 6.4,58.9 h1.2
  text "DIR/AIN2" at 31.4,58.9 h1.2
  text "DIR/AIN2" at 56.4,58.9 h1.2
  text "nFAULT" at 29.1,57.5 h1.2
  text "nFAULT" at 54.1,57.5 h1.2
  text "nFAULT" at 79.1,57.5 h1.2
  text "MOTOR" at 16.75,57.25 h2
  text "MOTOR" at 41.75,57.25 h2
  text "MOTOR" at 66.75,57.25 h2
  text "BIN1" at 8.6,56.4 h1.2
  text "BIN1" at 33.6,56.4 h1.2
  text "BIN1" at 58.6,56.4 h1.2
  text "DRIVER 1" at 16,55.5 h2
  text "DRIVER 2" at 41,55.5 h2
  text "DRIVER 3" at 66,55.5 h2
  text "nSTALL" at 29.1,55 h1.2
  text "nSTALL" at 54.1,55 h1.2
  text "nSTALL" at 79.1,55 h1.2
  text "BIN2" at 8.5,53.8 h1.2
  text "BIN2" at 33.5,53.8 h1.2
  text "BIN2" at 58.5,53.8 h1.2
  text "GND" at 29.1,52.4 h1.2
  text "GND" at 54.1,52.4 h1.2
  text "GND" at 79.1,52.4 h1.2
  text ".designation" at 89.5,51.5 h2 r90
  text "GND" at 8.5,51.2 h1.2
  text "GND" at 33.5,51.2 h1.2
  text "GND" at 58.5,51.2 h1.2
  text "24V/3,3V" at 16,49.25 h2
  text "+3,3V" at 78.4,46.1 h1.2
  text "GND" at 81.4,46.1 h1.2
  text "XMIN" at 86.5,44.1 h1.2
  text "+24V" at 4,43 h1.2
  text "GND" at 9.7,43 h1.2
  text "XMAX" at 86.5,41.3 h1.2
  text "YMIN" at 86.5,38.5 h1.2
  text "YMAX" at 86.5,35.7 h1.2
  text "ZMIN" at 86.5,32.9 h1.2
  text "+24V" at 4,31.4 h1.2
  text "GND" at 9.7,31.4 h1.2
  text "ZMAX" at 86.5,30.1 h1.2
  text "POWER" at 5.25,29.5 h2
  text "+3,3V" at 78.41,28.125 h1.2
  text "GND" at 81.4,28.1 h1.2
  text "MCU" at 43.25,26.75 h2
  text "EFUSE" at 7.5,22.8 h2
  text "LIMIT" at 87.5,22.5 h2 r90
  text "SWITHES" at 89.25,20.75 h2 r90
  text "UART/RS-232" at 64.3,9 h2
  text "VDD" at 39,5.6 h1.2 r90
  text "SWCLK" at 41.6,5.6 h1.2 r90
  text "SWDIO" at 46.68,5.6 h1.2 r90
  text "nRST" at 49.22,5.6 h1.2 r90
  text "SWO" at 51.76,5.6 h1.2 r90
  text "GND" at 44.15,5.562 h1.2 r90
  text "POWER" at 8,2.5 h2
  text "nINT" at 15.5,1.5 h1.2
  text "GND" at 18.9,1.5 h1.2
  text "nKILL" at 21.9,1.5 h1.2
  text "GND" at 64.2,1.5 h1.2
  text "TXD" at 67.4,1.5 h1.2
  text "RXD" at 70.5,1.5 h1.2
  text "GND" at 73.6,1.5 h1.2
  text "CONTROL" at 6,0.75 h2
  text "RESET" at 28.5,0.75 h2
  text "SWD" at 43,0.75 h2
  text "ON/OFF" at 54.5,0.75 h2
  text "RS-232" at 77,0.75 h2
Bottom Overlay:
  text ".pcb_dec_number" at 89.5,67.4 h2 r90
Board:
  the board outline again, w0.1
Assembly Notes (Mech5):
  text "'.title'" at 0,-2.5 h2
  text "'.project'_'.pcb_dec_number'['.Pcb_File_Name_No_Path']" at 0,-6 h2